# Altium PCB Crawler_PCB_V2.0.PcbDoc (part 1 of 2) (continued)
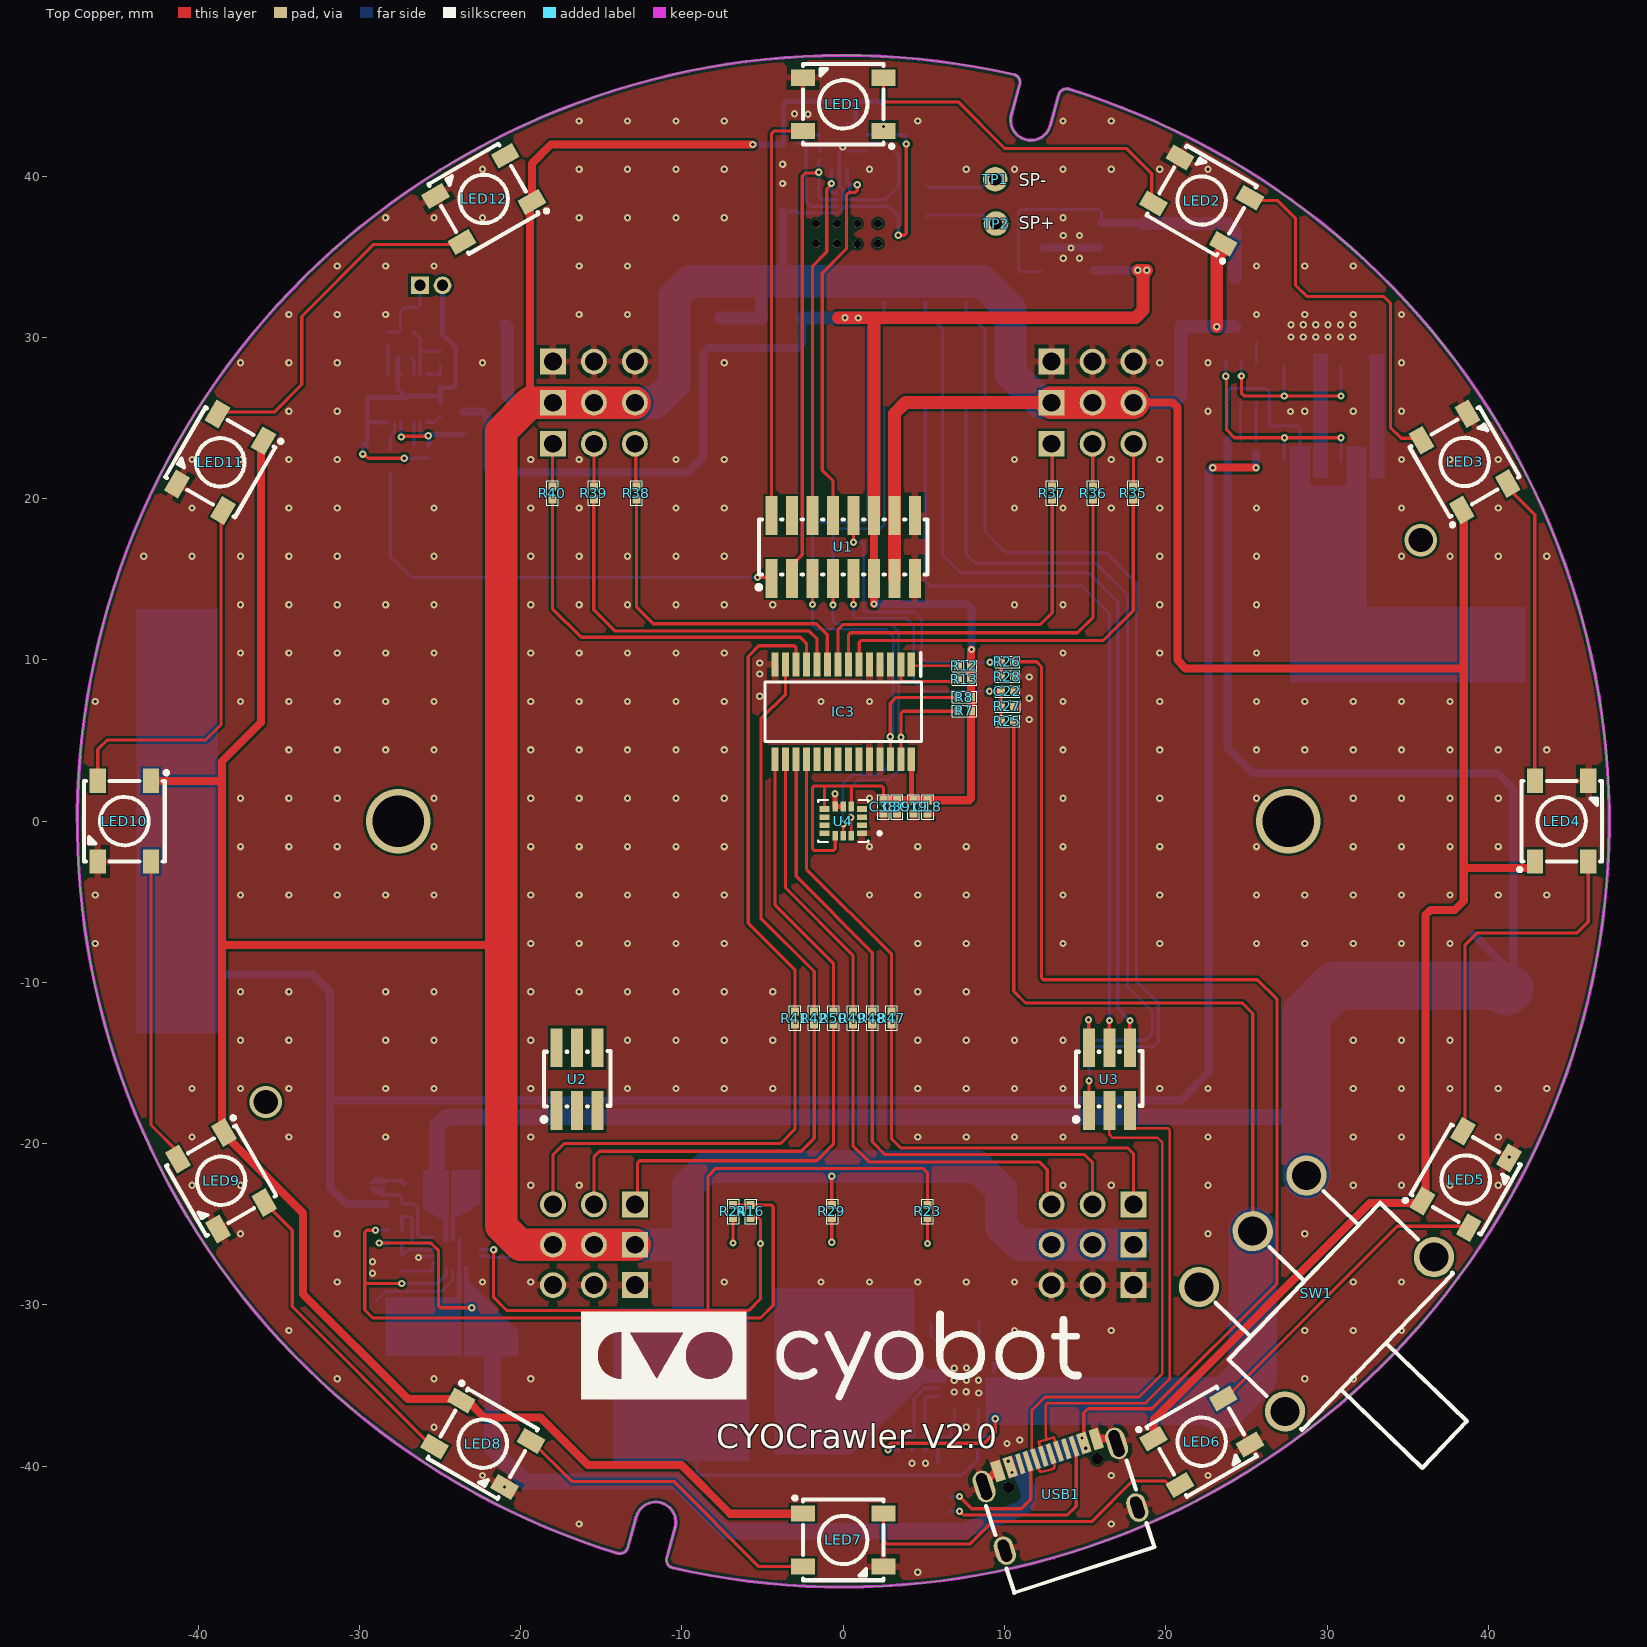
[diagram p0: Top Copper view]
## Components (designator, comment, footprint, x,y, rotation, side; value= is the part's Value field where it differs from the comment)
BH1 "Battery Holder" BH-18650-B1BA007 0,0 r180 bottom locked
C1 "2.2nF" CAP_0402 5.105,-38.583 r270 bottom
C2 "CC1206MKX5R7BB106" CAP_CC1206_YAG-M 12.471,-34.544 r270 bottom
C3 "CC1206MKX5R7BB106" CAP_CC1206_YAG-M 15.511,-34.544 r270 bottom
C4 "GRM32ER61C476KE15L" CAPC3225X270N -14.326,-31.852 r0 bottom
C5 "GRM32ER61C476KE15L" CAPC3225X270N -14.326,-34.95 r0 bottom
C6 "4.7uF" CAP_0402 10.795,-34.265 r270 bottom
C7 "100nF" CAP_0603 4.724,-31.217 r180 bottom
C8 "47pF" CAP_0402 6.706,-38.583 r90 bottom
C9 "27nF" CAP_0402 6.274,-39.776 r180 bottom
C10 "22uF" CAP_0603 18.593,36.347 r90 bottom
C11 "1uF" CAP_0402 17.323,36.678 r90 bottom
C12 "1uF" CAP_0402 17.323,33.757 r90 bottom
C13 "22uF" CAP_0603 18.593,33.452 r90 bottom
C14 "GRM32ER61C476KE15L" CAPC3225X270N 21.946,-33.807 r270 bottom
C15 "GRM32ER61C476KE15L" CAPC3225X270N 18.906,-33.807 r270 bottom
C16 "GRM32ER61C476KE15L" CAPC3225X270N 20.955,32.004 r270 bottom
C17 "GRM32ER61C476KE15L" CAPC3225X270N -20.955,32.08 r270 bottom
C18 "1uF" CAP_0402 5.232,0.889 r90 top
C19 "100nF" CAP_0402 4.369,0.889 r90 top
C20 "100nF" CAP_0402 24.232,24.511 r180 bottom
C21 "100nF" CAP_0402 26.035,24.511 r180 bottom
C22 "10nF" CAP_0402 10.185,8.039 r180 top
C23 "100nF" CAP_0402 -3.734,38.227 r270 bottom
C24 "10uF" CAP_0402 -2.921,38.227 r270 bottom
C25 "100nF" CAP_0402 -3.302,42.824 r180 bottom
C26 "470pF" CAP_0402 6.426,39.7 r90 bottom
C27 "470pF" CAP_0402 6.426,37.186 r90 bottom
C28 "100nF" CAP_0402 -28.219,29.921 r90 bottom
C29 "0.47uF" CAP_0402 -27.178,28.753 r0 bottom
C30 "1uF" CAP_0402 -25.743,22.911 r90 bottom
C31 "0.47uF" CAP_0402 -24.968,25.502 r90 bottom
C32 "2.2uF" CAP_0402 -26.645,22.911 r90 bottom
C33 "22uF" CAP_0603 -28.092,22.301 r90 bottom
C38 "4.7uF" CAP_0402 2.489,0.889 r90 top
C39 "100nF" CAP_0402 3.327,0.889 r90 top
C40 "JP3" JP3-D1T 12.92,28.5 r0 bottom
C41 "JP3" JP3-D1T 12.92,25.95 r0 bottom
C42 "JP3" JP3-D1T 12.92,23.4 r0 bottom
C43 "JP3" JP3-D1T -18,28.5 r0 bottom
C44 "JP3" JP3-D1T -18,25.95 r0 bottom
C45 "JP3" JP3-D1T -18,23.4 r0 bottom
C46 "JP3" JP3-D1T -12.92,-28.77 r180 bottom
C47 "JP3" JP3-D1T -12.92,-26.27 r180 bottom
C48 "JP3" JP3-D1T -12.92,-23.77 r180 bottom
C49 "JP3" JP3-D1T 18,-28.77 r180 bottom
C50 "JP3" JP3-D1T 18,-26.27 r180 bottom
C51 "JP3" JP3-D1T 18,-23.77 r180 bottom
C53 "GRM32ER61C476KE15L" CAPC3225X270N -14.326,-38.125 r0 bottom
C56 "100nF" CAP_0603 -28.321,-29.959 r180 bottom
C57 "22uF" CAP_0805 -26.187,-22.276 r0 bottom
C58 "22uF" CAP_0805 -22.149,-22.276 r180 bottom
C59 "22uF" CAP_0603 -20.015,-31.623 r180 bottom
C60 "1uF" CAP_0402 -27.788,-28.677 r0 bottom
DIO1 "Diode SMD" DIO-SMD-123 24.282,32.182 r270 bottom value=1N5007
FB1 "CBM160808U601T" L0603 -23.571,24.689 r90 bottom
FB2 "CBM160808U601T" L0603 -29.769,22.67 r90 bottom
H1 "C84005" HDR-SMD_14P-P2.54-V-F-R2-C7-S2.54 0,28 r0 bottom
IC1 "TPS54620RHLR" TPS54622RHLR 7.643,-34.671 r270 bottom
IC2 "XC6220B331PR-G" XC6220B331PRG 14.148,35.585 r90 bottom
IC3 "PCA9685PW,118" SOP65P640X110-28N 0,6.782 r270 top
IC4 "HY2120-CB" SOT95P280X140-6N 24.663,27.203 r270 bottom
IC5 "MAX98357AEWL+T" BGA9C40P3X3_144X135X69 0,38.532 r0 bottom
IC6 "MAX9814ETD+T" SON40P300X300X80-15N -27.026,26.238 r90 bottom
IC7 "MP2672GD-0000" QFN40P200X300X100-18N-D -24.003,-26.581 r90 bottom
IC8 "MAX98357AETE+" QFN50P300X300X80-17N 0,41.808 r0 bottom
L1 "SPM10040T-3R3M-HZ" SPM10040 -4.115,-34.163 r180 bottom locked
L2 "MLF2012C680KT000" INDC2012X145N 4.267,39.472 r0 bottom
L3 "ETQ-P3M1R5KVP" ETQ-P3M_KVP -24.308,-31.712 r180 bottom
L4 "MLF2012C680KT000" INDC2012X145N 4.267,37.414 r0 bottom
LED1 "WS2812B-B" LED-SMD_4P-L5.0-W5.0-BL_TC5050RGB 0,44.45 r180 top locked
LED2 "WS2812B-B" LED-SMD_4P-L5.0-W5.0-BL_TC5050RGB 22.225,38.481 r150 top
LED3 "WS2812B-B" LED-SMD_4P-L5.0-W5.0-BL_TC5050RGB 38.532,22.276 r120 top
LED4 "WS2812B-B" LED-SMD_4P-L5.0-W5.0-BL_TC5050RGB 44.552,0 r90 top
LED5 "WS2812B-B" LED-SMD_4P-L5.0-W5.0-BL_TC5050RGB 38.608,-22.225 r60 top
LED6 "WS2812B-B" LED-SMD_4P-L5.0-W5.0-BL_TC5050RGB 22.225,-38.481 r30 top
LED7 "WS2812B-B" LED-SMD_4P-L5.0-W5.0-BL_TC5050RGB 0,-44.577 r0 top
LED8 "WS2812B-B" LED-SMD_4P-L5.0-W5.0-BL_TC5050RGB -22.352,-38.608 r330 top locked
LED9 "WS2812B-B" LED-SMD_4P-L5.0-W5.0-BL_TC5050RGB -38.583,-22.301 r300 top
LED10 "WS2812B-B" LED-SMD_4P-L5.0-W5.0-BL_TC5050RGB -44.577,0 r270 top
LED11 "WS2812B-B" LED-SMD_4P-L5.0-W5.0-BL_TC5050RGB -38.633,22.25 r240 top
LED12 "WS2812B-B" LED-SMD_4P-L5.0-W5.0-BL_TC5050RGB -22.301,38.583 r210 top
LED13 "LTST-C191KGKT" LEDC1608X55N 6.02,-26.162 r180 bottom
LED14 "LTST-C190KRKT" LEDC1608X80N -6.071,-26.162 r180 bottom
LED15 "LTST-C191KGKT" LEDC1608X55N 0.102,-26.162 r180 bottom
MIC1 "GMI4015P-2C-58DB" MIC-TH_BD4.0-P1.40-D0.4-L-FD -25.552,33.223 r0 bottom
Q1 "AO8814" TSSOP-8_L4.4-W3.0-P0.65-LS6.4-BL 31.831,25.302 r180 bottom
Q2 "AO8814" TSSOP-8_L4.4-W3.0-P0.65-LS6.4-BL 28.322,25.302 r180 bottom
R1 "53.6K" RES_0402 8.026,-31.013 r180 bottom
R2 "102K" RES_0402 3.505,-38.583 r90 bottom
R3 "56K" RES_0402 8.331,-38.583 r270 bottom
R4 "10K" RES_0402 9.119,-38.583 r90 bottom
R5 "3.24K" RES_0402 5.905,-38.583 r90 bottom
R6 "36.5K" RES_0402 4.305,-38.583 r90 bottom
R7 "4.7K" RES_0402 7.518,6.833 r0 top
R8 "4.7K" RES_0402 7.518,7.696 r0 top
R9 "330R" RES_0402 24.232,23.647 r0 bottom
R10 "330R" RES_0402 25.603,23.216 r90 bottom
R11 "2K" RES_0402 25.629,30.124 r270 bottom
R12 "2K" RES_0402 7.518,9.627 r0 top
R13 "2K" RES_0402 7.518,8.788 r0 top
R14 "5.1K" RES_0402 6.198,-41.91 r0 bottom
R15 "5.1K" RES_0402 6.198,-42.824 r180 bottom
R16 "470R" RES_0402 -5.74,-24.206 r90 top
R17 "680K" RES_0402 -3.302,42.012 r0 bottom
R23 "100R" RES_0402 5.232,-24.206 r270 top
R24 "100R" RES_0402 -6.833,-24.206 r90 top
R25 "300K" RES_0402 10.185,6.198 r0 top
R26 "300K" RES_0402 10.185,9.881 r0 top
R27 "100K" RES_0402 10.185,7.118 r180 top
R28 "300K" RES_0402 10.185,8.96 r180 top
R29 "1K" RES_0402 -0.711,-24.206 r90 top
R30 "100K" RES_0402 -24.968,27.305 r270 bottom
R31 "150K" RES_0402 -24.968,28.727 r270 bottom
R32 "2K" RES_0402 -27.051,30.328 r0 bottom
R35 "220R" RES_0402 17.983,20.345 r270 top
R36 "220R" RES_0402 15.494,20.345 r270 top
R37 "220R" RES_0402 12.954,20.345 r270 top
R38 "220R" RES_0402 -12.827,20.345 r270 top
R39 "220R" RES_0402 -15.469,20.345 r270 top
R40 "220R" RES_0402 -18.034,20.345 r270 top
R41 "220R" RES_0402 -3,-12.217 r90 top
R42 "220R" RES_0402 -1.8,-12.217 r90 top
R47 "220R" RES_0402 3,-12.217 r270 top
R48 "220R" RES_0402 1.8,-12.217 r270 top
R49 "220R" RES_0402 0.6,-12.217 r270 top
R50 "220R" RES_0402 -0.6,-12.217 r270 top
R59 "30K" RES_0402 -20.447,-27.026 r180 bottom
R60 "28.7K" RES_0402 -27.788,-26.162 r0 bottom
R61 "330R" RES_0402 -27.762,-23.736 r0 bottom
R62 "10K" RES_0402 -27.788,-25.345 r0 bottom
R63 "10K" RES_0402 -27.788,-27.851 r180 bottom
R64 "10K" RES_0402 -27.788,-24.524 r180 bottom
R65 "10K" RES_0402 -27.788,-26.975 r180 bottom
SB1 "Solderbridge" Solderbridge -28.829,-22.606 r90 bottom
SW1 "SS-12D11L7" SW-TH_XKB_SS-12D11L7 28.702,-28.626 r46 top
TP1 "TEST POINT" "TEST POINT_30" 9.423,39.802 r0 top
TP2 "TEST POINT" "TEST POINT_30" 9.474,37.059 r0 top
U1 "X1321WVS-2X08J-C40D53" HDR-SMD_16P-P1.27-V-M-R2-C8-LS5.3 0,17 r0 top locked
U2 "X1321WVS-2X03J-C40D53" HDR-SMD_6P-P1.27-V-M-R2-C3-LS5.3 -16.5,-16 r0 top
U3 "X1321WVS-2X03J-C40D53" HDR-SMD_6P-P1.27-V-M-R2-C3-LS5.3 16.5,-16 r0 top
U4 "LSM6DSLTR" PQFN50P300X250X86-14N 0,0 r180 top
USB1 "KH-TYPE-C-16P" USB-C-SMD_KH-TYPE-C-16P 13.386,-41.605 r18 top locked

## Footprints (in the part's own frame and the unit in brackets; to place one, negate y for a bottom-side part, rotate by r counter-clockwise, add the part's x,y. Pads: shape width x height; smd on the part's side, far side on the other; paste and mask are expansions set on the pad)
BGA9C40P3X3_144X135X69 [mm]
  round 0.216 smd: A1(-0.4,0.4) A2(0,0.4) A3(0.4,0.4) B1(-0.4,0) B2(0,0) B3(0.4,0) C1(-0.4,-0.4) C2(0,-0.4) C3(0.4,-0.4)
  silkscreen extent -0.96,-0.86 0.86,0.96, body extent -0.72,-0.67 0.72,0.67, height 0.69
BH-18650-B1BA007 [mm]
  rect 7x7.5 smd: 1(-41.55,-9.5) 2(41.55,9.5) 3(-41.55,9.5) 4(41.55,-9.5)
  silkscreen extent -42.93,-19.69 42.85,19.84, body extent -43.03,-19.81 42.98,19.96, height 15.43
CAP_0402 [mm] "Capacitor"
  rect 0.5x0.5 smd mask+0.051: 1(-0.406,0) 2(0.406,0)
  silkscreen extent -0.76,-0.36 0.76,0.36, body extent -0.53,-0.28 0.52,0.27, height 0.55
CAP_0603 [mm] "Capacitor"
  rect 0.6x0.9 smd mask+0.051: 1(-0.711,0) 2(0.711,0)
  silkscreen extent -1.14,-0.56 1.14,0.56, body extent -0.87,-0.48 0.87,0.47, height 0.87
CAP_0805 [mm] "Ceramic Capacitor"
  rect 1.27x1.27 smd mask+0.076: 1(-1,0) 2(1,0)
  silkscreen extent -1.86,-0.86 1.86,0.86, body extent -1,-0.63 1,0.63, height 0.78
CAP_CC1206_YAG-M [mm]
  rect 1.312x1.853 smd paste+0 mask+0: 1(-1.647,0) 2(1.647,0)
  silkscreen extent -3.22,-1.03 0.67,1.03, body extent -1.75,-0.9 1.75,0.9, height 1.8
CAPC3225X270N [mm]
  rect 1.26x2.72 smd: 1(-1.33,0) 2(1.33,0)
  silkscreen extent 0,-1.15 0,1.15, body extent -1.6,-1.25 1.6,1.25, height 2.7
DIO-SMD-123 [mm]
  rect 0.9x1.2 smd: 1(1.524,0) 2(-1.524,0)
  silkscreen extent -2.16,-1.02 2.16,1.02, body extent -1.76,-0.8 1.94,0.8, height 1.25
ETQ-P3M_KVP [mm]
  rect 1.905x2.79 smd: 1(-2.425,0) 2(2.425,0)
  silkscreen extent -4.33,-2.5 2.5,2.5, body extent -2.75,-2.5 2.75,2.5, height 3
HDR-SMD_6P-P1.27-V-M-R2-C3-LS5.3 [mm]
  rect 0.74x2.4 smd: 1(-1.27,-1.95) 2(-1.27,1.95) 3(0,-1.95) 4(0,1.95) 5(1.27,-1.95) 6(1.27,1.95)
  silkscreen extent -2.2,-2.64 2.06,1.75, body extent -1.91,-2.73 1.9,2.78, height 6.41
HDR-SMD_14P-P2.54-V-F-R2-C7-S2.54 [mm]
  rect 1x2.2 smd: 1(-7.62,3.2) 2(-7.62,-3.2) 3(-5.08,3.2) 4(-5.08,-3.2) 5(-2.54,3.2) 6(-2.54,-3.2) 7(0,3.2) 8(0,-3.2) 9(2.54,3.2) 10(2.54,-3.2) 11(5.08,3.2) 12(5.08,-3.2) 13(7.62,3.2) 14(7.62,-3.2)
  silkscreen extent -8.89,-2.54 8.89,3.56, body extent -9.14,-3.3 9.14,3.3, height 5
HDR-SMD_16P-P1.27-V-M-R2-C8-LS5.3 [mm]
  rect 0.74x2.4 smd: 1(-4.445,-1.95) 2(-4.445,1.95) 3(-3.175,-1.95) 4(-3.175,1.95) 5(-1.905,-1.95) 6(-1.905,1.95) 7(-0.635,-1.95) 8(-0.635,1.95) 9(0.635,-1.95) 10(0.635,1.95) 11(1.905,-1.95) 12(1.905,1.95) 13(3.175,-1.95) 14(3.175,1.95) 15(4.445,-1.95) 16(4.445,1.95)
  silkscreen extent -5.38,-2.64 5.23,1.7, body extent -5.08,-2.76 5.08,2.74, height 6.41
INDC2012X145N [mm]
  rect 1.2x1.45 smd: 1(-0.85,0) 2(0.85,0)
  silkscreen extent 0,-0.53 0,0.53, body extent -1,-0.63 1,0.63, height 1.45
JP3-D1T [mm] "3 pins, 1 row, straight, gold plating"
  rect 1.6x1.6 hole 1.1: 1(0,0)
  round 1.6 hole 1.1: 2(2.54,0) 3(5.08,0)
  silkscreen extent -1.27,-1.27 6.35,1.27, body extent -1.27,-1.27 6.35,1.27, height 8.54
L0603 [mm]
  rect 0.8x0.864 smd: 1(-0.7,0) 2(0.7,0)
  silkscreen extent -1.42,-0.65 1.41,0.67
LED-SMD_4P-L5.0-W5.0-BL_TC5050RGB [mm]
  rect 1.5x1 smd: 1(-2.5,1.65) 2(-2.5,-1.65) 3(2.5,-1.65) 4(2.5,1.65)
  silkscreen extent -3.1,-2.5 2.5,2.7, body extent -2.68,-2.55 2.72,2.45, height 1.6
LEDC1608X55N [mm]
  rect 0.9x0.95 smd: 1(-0.8,0) 2(0.8,0)
  silkscreen extent -1.6,-0.82 0.8,0.82, body extent -0.83,-0.4 0.77,0.4, height 0.55
LEDC1608X80N [mm]
  rect 0.9x0.95 smd: 1(-0.8,0) 2(0.8,0)
  silkscreen extent -1.6,-0.82 0.8,0.82, body extent -0.83,-0.4 0.77,0.4, height 0.8
MIC-TH_BD4.0-P1.40-D0.4-L-FD [mm]
  rect 1.1x1.1 hole 0.7: 1(-0.7,0)
  round 1.1 hole 0.7: 2(0.7,0)
  silkscreen extent -2,-1.45 2,2.55, body extent -2,-1.42 2,2.58, height 1.55
PQFN50P300X250X86-14N [mm]
  rect 0.61x0.35 smd: 1(-1.16,0.75) 2(-1.16,0.25) 3(-1.16,-0.25) 4(-1.16,-0.75) 8(1.16,-0.75) 9(1.16,-0.25) 10(1.16,0.25) 11(1.16,0.75)
  rect 0.35x0.61 smd: 5(-0.5,-0.91) 6(0,-0.91) 7(0.5,-0.91) 12(0.5,0.91) 13(0,0.91) 14(-0.5,0.91)
  silkscreen extent -2.35,-1.3 1.55,1.3, body extent -1.5,-1.23 1.5,1.27, height 0.86
QFN40P200X300X100-18N-D [mm]
  rect 0.85x0.2 smd: 1(-0.95,0.6) 2(-0.95,0.2) 3(-0.95,-0.2) 4(-0.95,-0.6) 10(0.95,-0.6) 11(0.95,-0.2) 12(0.95,0.2) 13(0.95,0.6)
  rect 0.2x0.85 smd: 5(-0.8,-1.45) 6(-0.4,-1.45) 7(0,-1.45) 8(0.4,-1.45) 9(0.8,-1.45) 14(0.8,1.45) 15(0.4,1.45) 16(0,1.45) 17(-0.4,1.45) 18(-0.8,1.45)
  silkscreen extent -1.47,1.1 -1.28,1.3, body extent -1.05,-1.55 1.05,1.55, height 1
QFN50P300X300X80-17N [mm]
  rect 0.85x0.3 smd: 1(-1.45,0.75) 2(-1.45,0.25) 3(-1.45,-0.25) 4(-1.45,-0.75) 9(1.45,-0.75) 10(1.45,-0.25) 11(1.45,0.25) 12(1.45,0.75)
  rect 0.3x0.85 smd: 5(-0.75,-1.45) 6(-0.25,-1.45) 7(0.25,-1.45) 8(0.75,-1.45) 13(0.75,1.45) 14(0.25,1.45) 15(-0.25,1.45) 16(-0.75,1.45)
  rect 1.25x1.25 smd: 17(0,0)
  silkscreen extent -2,1.38 -1.75,1.62, body extent -1.55,-1.55 1.55,1.55, height 0.8
RES_0402 [mm]
  rect 0.5x0.5 smd mask+0.051: 1(-0.406,0) 2(0.406,0)
  silkscreen extent -0.76,-0.36 0.76,0.36, body extent -0.5,-0.25 0.5,0.25, height 0.3
Solderbridge [mm]
  round 0.2 smd paste-10: 1(-0.312,0) 2(0.312,0)
  Top Copper region: -0.077,-0.432 -0.152,-0.505 -0.271,-0.467 -0.335,-0.424 -0.409,-0.351 -0.462,-0.292 -0.521,-0.193 -0.549,-0.099 -0.544,0.122 -0.518,0.193 -0.434,0.33 -0.351,0.411 -0.259,0.469 -0.157,0.5 -0.107,0.483 -0.077,0.43
  Top Copper region: 0.077,0.432 0.152,0.505 0.271,0.467 0.335,0.424 0.409,0.351 0.462,0.292 0.521,0.193 0.549,0.099 0.544,-0.122 0.518,-0.193 0.434,-0.33 0.351,-0.411 0.259,-0.469 0.157,-0.5 0.107,-0.483 0.077,-0.43
  Top Copper lines w0.152: 0.486,0.025 ccw(c0.042,0) 0.312,0.353 ccw(c0.042,0) 0.153,0.431
SON40P300X300X80-15N [mm]
  rect 0.75x0.2 smd: 1(-1.5,1.2) 2(-1.5,0.8) 3(-1.5,0.4) 4(-1.5,0) 5(-1.5,-0.4) 6(-1.5,-0.8) 7(-1.5,-1.2) 8(1.5,-1.2) 9(1.5,-0.8) 10(1.5,-0.4) 11(1.5,0) 12(1.5,0.4) 13(1.5,0.8) 14(1.5,1.2)
  rect 1.8x2.4 smd: 15(0,0)
  silkscreen extent -2,1.68 -1.75,1.92, body extent -1.55,-1.5 1.55,1.5, height 0.8
SOP65P640X110-28N [mm]
  rect 1.475x0.45 smd: 1(-2.938,4.225) 2(-2.938,3.575) 3(-2.938,2.925) 4(-2.938,2.275) 5(-2.938,1.625) 6(-2.938,0.975) 7(-2.938,0.325) 8(-2.938,-0.325) 9(-2.938,-0.975) 10(-2.938,-1.625) 11(-2.938,-2.275) 12(-2.938,-2.925) 13(-2.938,-3.575) 14(-2.938,-4.225) 15(2.938,-4.225) 16(2.938,-3.575) 17(2.938,-2.925) 18(2.938,-2.275) 19(2.938,-1.625) 20(2.938,-0.975) 21(2.938,-0.325) 22(2.938,0.325) 23(2.938,0.975) 24(2.938,1.625) 25(2.938,2.275) 26(2.938,2.925) 27(2.938,3.575) 28(2.938,4.225)
  silkscreen extent -3.67,-4.85 1.85,4.85, body extent -3.2,-4.85 3.2,4.85, height 1.1
SOT95P280X140-6N [mm]
  rect 1.15x0.6 smd: 1(-1.25,0.95) 2(-1.25,0) 3(-1.25,-0.95) 4(1.25,-0.95) 5(1.25,0) 6(1.25,0.95)
  silkscreen extent -1.83,-1.45 0.33,1.6, body extent -1.4,-1.45 1.4,1.45, height 1.4
SPM10040 [mm]
  rect 3.8x4.8 smd: 1(-4.95,0) 2(4.95,0)
  silkscreen extent -7.85,-5.2 5.2,5.2, body extent -5.35,-5 5.35,5, height 4
SW-TH_XKB_SS-12D11L7 [mm]
  round 2.5 hole 1.8: 1(-4.8,4.6) 2(0,4.6) 3(4.8,4.6) 4(6.65,-4.6) 5(-6.65,-4.6)
  silkscreen extent -6.75,-13.15 6.75,3.17
"TEST POINT_30" [mil]
  round 60 hole 30 mask+10: 1(0,0)
TPS54622RHLR [mm]
  rect 0.85x0.28 smd: 1(-1.725,-0.75) 7(1.725,-0.75) 8(1.725,0.75) 14(-1.725,0.75)
  rect 0.28x0.85 smd: 2(-1,-1.725) 3(-0.5,-1.725) 4(0,-1.725) 5(0.5,-1.725) 6(1,-1.725) 9(1,1.725) 10(0.5,1.725) 11(0,1.725) 12(-0.5,1.725) 13(-1,1.725)
  rect 0.725x0.2 smd: 15(-1.788,-0.275) 15(-1.788,0.275) 15(1.788,-0.275) 15(1.788,0.275)
  rect 0.6x0.75 smd: 15(-1.225,0) 15(1.225,0)
  rect 2.05x2.05 smd: 15(0,0)
  silkscreen extent -2.97,-1.75 1.75,1.75, body extent -1.75,-1.75 1.75,1.75, height 1
TSSOP-8_L4.4-W3.0-P0.65-LS6.4-BL [mm]
  oval 0.353x1.454 smd: 1(-0.975,-2.927) 2(-0.325,-2.927) 3(0.325,-2.927) 4(0.975,-2.927) 5(0.975,2.927) 6(0.325,2.927) 7(-0.325,2.927) 8(-0.975,2.927)
  silkscreen extent -1.73,-3.08 1.5,2.2, body extent -1.49,-3.17 1.51,3.23, height 1.11
USB-C-SMD_KH-TYPE-C-16P [mm]
  oval 1.2x2 hole 0.7 slot 1.7 at 90 deg: 1(-4.32,1.765) 2(4.32,1.765)
  oval 1.2x1.8 hole 0.7 slot 1.4 at 90 deg: 3(-4.32,-2.415) 4(4.32,-2.415)
  rect 0.3x1.3 smd: A1(-3.35,2.415) A4(-2.55,2.415) A5(-1.25,2.415) A6(-0.25,2.415) A7(0.25,2.415) A8(1.25,2.415) A9(2.55,2.415) A12(3.35,2.415) B1(3.05,2.415) B4(2.25,2.415) B5(1.75,2.415) B6(0.75,2.415) B7(-0.75,2.415) B8(-1.75,2.415) B9(-2.25,2.415) B12(-3.05,2.415)
  round 0.7 hole 0.7 unplated: ""(-2.89,1.235) ""(2.89,1.235)
  silkscreen extent -4.57,-5.08 4.57,0.57, body extent -4.47,-5.15 4.48,2.75, height 3.26
XC6220B331PRG [mm]
  rect 0.7x1.5 smd: 1(-1.5,-1.85) 3(1.5,-1.85) 4(1.5,1.85) 5(-1.5,1.85)
  rect 1x1.75 smd: 2(0,-1.725) 6(0,1.725)
  rect 2x1.7 smd: 7(0,0)
  silkscreen extent -2.25,-3.48 2.25,1.25, body extent -2.25,-1.25 2.25,1.25, height 1.7

## Part data
BH1: library part BH-18650-B1BA007
C1: library part CAP_220pF-10V-10%-0402, "2.2nF ±10% 50V Ceramic Capacitor X7R 0402 (1005 Metric)", Case/Package=0402, Manufacturer=KEMET, Manufacturer Part Number=C0402C221K8RAC7867, Supplier-1=Digikey
C2 C3: "No Description Available", Mfr_Name=Yageo, Copyright="Copyright (C) 2023 Ultra Librarian. All rights reserved.", Digi-Key_Part_Number_1=311-1996-2-ND, Digi-Key_Part_Number_2=311-1996-1-ND, Digi-Key_Part_Number_3=311-1996-6-ND, Manufacturer_Part_Number=CC1206MKX5R7BB106, RefDes=RefDes, Type=DEV
C4 C5 C14 C15 C16 C17 C53: "Capacitor", Manufacturer_Name="Murata Electronics", Mouser Part Number=81-GRM32ER61C476KE5L, Arrow Part Number=GRM32ER61C476KE15L, Arrow Price/Stock=https://www.arrow.com/en/products/grm32er61c476ke15l/murata-manufacturing, Datasheet Link=http://psearch.en.murata.com/capacitor/product/GRM32ER71E226KE15%23.pdf, Height=2.7mm, Manufacturer_Part_Number=GRM32ER61C476KE15L, Mouser Price/Stock=https://www.mouser.co.uk/ProductDetail/Murata-Electronics/GRM32ER61C476KE15L?qs=%252B%2F7tQhzlcy7Im%2F1Gh2YSGQ%3D%3D
C6 C38: library part CAP_4.7uF-10V-10%-0402, "4.7µF ±10% 10V Ceramic Capacitor X5R 0402 (1005 Metric)", Case/Package=0402, Manufacturer="Samsung Electro-Mechanics", Manufacturer Part Number=CL05A475KP5NRNC, Supplier-1=Digikey
C7 C56: library part CAP_100nF-10V-5%-0603, "25V 100nF X7R ±10% 0603 Multilayer Ceramic Capacitors MLCC - SMD/SMT ROHS", Case/Package=0603, Manufacturer=Yageo, Manufacturer Part Number=CC0603KRX7R6BB104, Supplier-1=Digikey
C8: library part CAP_220pF-10V-10%-0402, "82pF ±10% 50V Ceramic Capacitor NP0 0402 (1005 Metric)", Case/Package=0402, Manufacturer=KEMET, Manufacturer Part Number=C0402C221K8RAC7867, Supplier-1=Digikey
C9: library part CAP_220pF-10V-10%-0402, "27nF ±10% 50V Ceramic Capacitor X7R 0402 (1005 Metric)", Case/Package=0402, Manufacturer=KEMET, Manufacturer Part Number=C0402C221K8RAC7867, Supplier-1=Digikey
C10 C13 C33 C59: library part CAP_22uF-10V-20%-0603, "22µF ±20% 10V Ceramic Capacitor X5R 0603 (1608 Metric)", Case/Package=0603, Manufacturer="Murata Electronics", Manufacturer Part Number=GRM188R61A226ME15D, Supplier-1=Digikey
C11 C12 C30 C60: library part CAP_1uF-10V-10%-0402, "1µF ±10% 10V Ceramic Capacitor X6S 0402 (1005 Metric)", Case/Package=0402, Manufacturer="Murata Electronics", Manufacturer Part Number=GRT155C81A105KE01D, Supplier-1=Digikey
C18: library part CAP_1uF-16V-10%-0402, "1µF ±10% 16V Ceramic Capacitor X5R 0402 (1005 Metric)", Case/Package=0402, Manufacturer="Knowles Novacap", Manufacturer Part Number=0402BW105K160YT, Supplier-1=Digikey
C19 C20 C21: library part CAP_100nF-25V-10%-0402, "0.1µF ±10% 25V Ceramic Capacitor X7R 0402 (1005 Metric)", Case/Package=0402, Manufacturer="Walsin Technology Corporation", Manufacturer Part Number=0402B104K250CT, Supplier-1=Digikey
C22: library part CAP_10nF-10V-10%-0402, "10000pF ±10% 10V Ceramic Capacitor X7R 0402 (1005 Metric)", Case/Package=0402, Manufacturer="AVX Corporation", Manufacturer Part Number=0402ZC103KAT2A, Supplier-1=Digikey
C23 C25 C28 C39: library part CAP_100nF-10V-10%-0402, "0.1µF ±10% 10V Ceramic Capacitor X7R 0402 (1005 Metric)", Case/Package=0402, Manufacturer=Yageo, Manufacturer Part Number=CC0402KRX7R6BB104, Supplier-1=Digikey
C24: library part CAP_10uF-10V-20%-0402, "10µF ±20% 10V Ceramic Capacitor X5R 0402 (1005 Metric)", Case/Package=0402, Manufacturer="Samsung Electro-Mechanics", Manufacturer Part Number=CL05A106MP5NUNC, Supplier-1=Digikey
C26 C27: library part CAP_47pF-10V-10%-0402, "470pF ±10% 10V Ceramic Capacitor C0G, NP0 0402 (1005 Metric)", Case/Package=0402, Manufacturer=KEMET, Manufacturer Part Number=C0402C470K8GAC7867, Supplier-1=Supplier-1
C29 C31: library part CAP_1uF-10V-10%-0402, "0.47µF ±10% 10V Ceramic Capacitor X6S 0402 (1005 Metric)", Case/Package=0402, Manufacturer="Murata Electronics", Manufacturer Part Number=GRT155C81A105KE01D, Supplier-1=Digikey
C32: library part CAP_2.2uF-10V-10%-0402, "2.2µF ±10% 10V Ceramic Capacitor X5R 0402 (1005 Metric)", Case/Package=0402, Manufacturer="Murata Electronics", Manufacturer Part Number=GRM155R61A225KE95D, Supplier-1=Digikey
C40 C41 C42 C43 C44 C45 C46 C47 C48 C49 C50 C51: "WR-PHD 2.54 mm Angled Socket Header", Manufacturer="W¨¹rth Elektronik eiSos GmbH", partNo=613003143121, ComponentLink1 Description=Manufacturer, ComponentLink1URL=http://www.we-online.com, ComponentLink2 Description=Datasheet, ComponentLink2URL=http://katalog.we-online.de/em/datasheet/6130xx143121.pdf, Created by="Karrer Zheng", Created Date="29 March 2013", NoPins=03
C57 C58: library part CAP_22uF-25V-20%-0805, "22µF ±20% 25V Ceramic Capacitor X5R 0805 (2012 Metric)", Case/Package=0805, Manufacturer="Murata Electronics", Manufacturer Part Number=GRM21BR61E226ME44K, Supplier-1=Digikey
DIO1: "Default Diode", Code - JEDEC=DO-214-AB, Published=8-Jun-2000, Publisher="Altium Limited", Revision="July-2002: Re-released for DXP Platform."
FB1 FB2: BOM_JLCPCB Part Class="Extended Part", BOM_Manufacturer=FH(风华), BOM_Manufacturer Part=CBM160808U601T, BOM_Supplier=LCSC, BOM_Supplier Part=C394427, Contributor=LCSC, spicePre=F, spiceSymbolName=CBM160808U601T
H1: BOM_JLCPCB Part Class="Extended Part", BOM_Manufacturer=BOOMELE(博穆精密), BOM_Manufacturer Part=2.54-2*7P立贴母, BOM_Supplier=LCSC, BOM_Supplier Part=C84005, Contributor=LCSC, spicePre=H, spiceSymbolName=C84005
IC1: "Integrated Circuit", Manufacturer_Name="Texas Instruments", Mouser Part Number=595-TPS54620RHLR, Arrow Part Number=TPS54620RHLR, Arrow Price/Stock=https://www.arrow.com/en/products/tps54620rhlr/texas-instruments?region=nac, Datasheet Link=http://www.ti.com/lit/ds/symlink/tps54620.pdf, Manufacturer_Part_Number=TPS54620RHLR, Mouser Price/Stock=https://www.mouser.co.uk/ProductDetail/Texas-Instruments/TPS54620RHLR?qs=g5raLcSarOavNbXjatBJuw%3D%3D
IC2: "Integrated Circuit", Manufacturer_Name=Torex, Mouser Part Number=865-XC6220B331PR-G, Datasheet Link=https://www.torexsemi.com/file/xc6220/XC6220.pdf, Height=1.6mm, Manufacturer_Part_Number=XC6220B331PR-G, Mouser Price/Stock=https://www.mouser.co.uk/ProductDetail/Torex-Semiconductor/XC6220B331PR-G?qs=AsjdqWjXhJ9%2FMkHVs5v3gw%3D%3D
IC3: "Integrated Circuit", Manufacturer_Name=NXP, Mouser Part Number=771-PCA9685PW,118, Arrow Part Number=PCA9685PW,118, Arrow Price/Stock=https://www.arrow.com/en/products/pca9685pw118/nxp-semiconductors?region=nac, Datasheet Link=http://www.nxp.com/docs/en/data-sheet/PCA9685.pdf, Height=1.1mm, Manufacturer_Part_Number=PCA9685PW,118, Mouser Price/Stock=https://www.mouser.co.uk/ProductDetail/NXP-Semiconductors/PCA9685PW118?qs=6YAT8rHPFU%252BtfwwKq4nwEQ%3D%3D
IC4: "Integrated Circuit", Manufacturer_Name=Hycon, Datasheet Link=https://datasheet.lcsc.com/szlcsc/HYCON-Tech-HY2120CB_C116509.pdf, Height=1.4mm, Manufacturer_Part_Number=HY2120-CB
IC5: "Integrated Circuit", Manufacturer_Name="Analog Devices", Mouser Part Number=700-MAX98357AEWL+T, Arrow Part Number=MAX98357AEWL+T, Arrow Price/Stock=https://www.arrow.com/en/products/max98357aewlt/maxim-integrated?region=nac, Datasheet Link=https://datasheets.maximintegrated.com/en/ds/MAX98357A-MAX98357B.pdf, Height=0.69mm, Manufacturer_Part_Number=MAX98357AEWL+T, Mouser Price/Stock=https://www.mouser.co.uk/ProductDetail/Analog-Devices-Maxim-Integrated/MAX98357AEWL%2bT?qs=ZrtEiRxEuI4mjqOyZP4d0A%3D%3D
IC6: "Integrated Circuit", Manufacturer_Name="Analog Devices", Mouser Part Number=700-MAX9814ETDT, Arrow Part Number=MAX9814ETD+T, Arrow Price/Stock=https://www.arrow.com/en/products/max9814etdt/maxim-integrated?region=nac, Datasheet Link=https://www.analog.com/MAX9814/datasheet, Height=0.8mm, Manufacturer_Part_Number=MAX9814ETD+T, Mouser Price/Stock=https://www.mouser.co.uk/ProductDetail/Analog-Devices-Maxim-Integrated/MAX9814ETD%2bT?qs=1THa7WoU59HUZGorIAH%2Frw%3D%3D
IC7: "Integrated Circuit", Manufacturer_Name="Monolithic Power Systems (MPS)", Height=1mm, Manufacturer_Part_Number=MP2672GD-0000
IC8: "Integrated Circuit", Manufacturer_Name="Maxim Integrated", Mouser Part Number=700-MAX98357AETE+, Datasheet Link=https://datasheets.maximintegrated.com/en/ds/MAX98357A-MAX98357B.pdf, Height=0.8mm, Manufacturer_Part_Number=MAX98357AETE+, Mouser Price/Stock=https://www.mouser.co.uk/ProductDetail/Maxim-Integrated/MAX98357AETE%2b?qs=AAveGqk956EyS6m3AmZeuw%3D%3D
L1: "Inductor", Manufacturer_Name=TDK, Mouser Part Number=810-SPM10040T-3R3HZ, Arrow Part Number=SPM10040T-3R3M-HZ, Arrow Price/Stock=https://www.arrow.com/en/products/spm10040t-3r3m-hz/tdk?region=nac, Datasheet Link=https://product.tdk.com/system/files/dam/doc/product/inductor/inductor/smd/catalog/inductor_automotive_power_spm10040-hz_en.pdf, Manufacturer_Part_Number=SPM10040T-3R3M-HZ, Mouser Price/Stock=https://www.mouser.co.uk/ProductDetail/TDK/SPM10040T-3R3M-HZ?qs=y6ZabgHbY%252BwBR7hmhWa%252BrA%3D%3D
L2 L4: "Inductor", Manufacturer_Name=TDK, Mouser Part Number=810-MLF2012C680KT000, Datasheet Link=https://product.tdk.com/system/files/dam/doc/product/inductor/inductor/smd/catalog/inductor_commercial_standard_mlf2012_en.pdf, Height=1.45mm, Manufacturer_Part_Number=MLF2012C680KT000, Mouser Price/Stock=https://www.mouser.com/Search/Refine.aspx?Keyword=810-MLF2012C680KT000
L3: "Inductor", Manufacturer_Name=Panasonic, Mouser Part Number=667-ETQ-P3M1R5KVP, Arrow Part Number=ETQ-P3M1R5KVP, Arrow Price/Stock=https://www.arrow.com/en/products/etq-p3m1r5kvp/panasonic, Datasheet Link=http://industrial.panasonic.com/cdbs/www-data/pdf/AGL0000/AGL0000C63.pdf, Height=3mm, Manufacturer_Part_Number=ETQ-P3M1R5KVP, Mouser Price/Stock=https://www.mouser.co.uk/ProductDetail/Panasonic/ETQ-P3M1R5KVP?qs=DddhjTRTMKyw4jpGRX4KaA%3D%3D
LED1 LED2 LED3 LED4 LED5 LED6 LED7 LED8 LED9 LED10 LED11 LED12: BOM_JLCPCB Part Class="Extended Part", BOM_Manufacturer=worldsemi, BOM_Manufacturer Part=WS2812B-B/W, BOM_Supplier=LCSC, BOM_Supplier Part=C114586, Contributor=LCSC, spicePre=L, spiceSymbolName=WS2812B-B
LED13 LED15: "LED GREEN", Manufacturer_Name=Lite-On, Mouser Part Number=859-LTST-C191KGKT, Arrow Part Number=LTST-C191KGKT, Arrow Price/Stock=https://www.arrow.com/en/products/ltst-c191kgkt/lite-on-technology?region=nac, Datasheet Link=http://www.mouser.com/ds/2/239/S_110_LTST-C191KGKT-369560.pdf, Height=0.55mm, Manufacturer_Part_Number=LTST-C191KGKT, Mouser Price/Stock=https://www.mouser.co.uk/ProductDetail/Lite-On/LTST-C191KGKT?qs=xSPZu9B1aMCRQ5ACasEYAg%3D%3D
LED14: "LED RED", Manufacturer_Name=Lite-On, Mouser Part Number=859-LTST-C190KRKT, Arrow Part Number=LTST-C190KRKT, Arrow Price/Stock=https://www.arrow.com/en/products/ltst-c190krkt/lite-on-technology?region=europe, Datasheet Link=https://componentsearchengine.com/Datasheets/1/LTST-C190KRKT.pdf, Height=0.8mm, Manufacturer_Part_Number=LTST-C190KRKT, Mouser Price/Stock=https://www.mouser.co.uk/ProductDetail/Lite-On/LTST-C190KRKT?qs=kAD5fFa1n5VY3YYNWPC1Fg%3D%3D
MIC1: BOM_JLCPCB Part Class="Extended Part", BOM_Manufacturer=INGHAi(赢海), BOM_Manufacturer Part=GMI4015P-2C-58db, BOM_Supplier=LCSC, BOM_Supplier Part=C233300, Contributor=LCSC, spicePre=M, spiceSymbolName=GMI4015P-2C-58DB
Q1 Q2: BOM_JLCPCB Part Class="Extended Part", BOM_Manufacturer=AOS, BOM_Manufacturer Part=AO8814, BOM_Supplier=LCSC, BOM_Supplier Part=C357843, Contributor=LCSC, spicePre=Q, spiceSymbolName=AO8814
R1: library part RES_300K-0.1W-1%-0402, "53.6 kOhms ±1% 0.1W, 1/10W Chip Resistor 0402 (1005 Metric) Automotive AEC-Q200 Thick Film", Case/Package=0402, Manufacturer="Panasonic Electronic Components", Manufacturer Part Number=ERJ-2RKF3003X, Supplier-1=Digikey
R2: library part RES_300K-0.1W-1%-0402, "102 kOhms ±1% 0.1W, 1/10W Chip Resistor 0402 (1005 Metric) Automotive AEC-Q200 Thick Film", Case/Package=0402, Manufacturer="Panasonic Electronic Components", Manufacturer Part Number=ERJ-2RKF3003X, Supplier-1=Digikey
R3: library part RES_51K-0.1W-1%-0402, "56 kOhms ±1% 0.1W, 1/10W Chip Resistor 0402 (1005 Metric) Automotive AEC-Q200 Thick Film", Case/Package=0402, Manufacturer="Panasonic Electronic Components", Manufacturer Part Number=ERJ-2RKF5102X, Supplier-1=Digikey
R4 R62 R63 R64 R65: library part RES_10K-0.1W-1%-0402, "10 kOhms ±1% 0.1W, 1/10W Chip Resistor 0402 (1005 Metric) Anti-Sulfur Thin Film", Case/Package=0402, Manufacturer="Vishay Beyschlag/Draloric/BC Components", Manufacturer Part Number=MCS04020C1002FE000, Supplier-1=Digikey
R5: library part RES_300K-0.1W-1%-0402, "3.24 kOhms ±1% 0.1W, 1/10W Chip Resistor 0402 (1005 Metric) Automotive AEC-Q200 Thick Film", Case/Package=0402, Manufacturer="Panasonic Electronic Components", Manufacturer Part Number=ERJ-2RKF3003X, Supplier-1=Digikey
R6: library part RES_300K-0.1W-1%-0402, "28.7 kOhms ±1% 0.1W, 1/10W Chip Resistor 0402 (1005 Metric) Automotive AEC-Q200 Thick Film", Case/Package=0402, Manufacturer="Panasonic Electronic Components", Manufacturer Part Number=ERJ-2RKF3003X, Supplier-1=Digikey
R7 R8: library part RES_4.7K-0.1W-1%-0402, "4.7 kOhms ±1% 0.1W, 1/10W Chip Resistor 0402 (1005 Metric) Automotive AEC-Q200 Thick Film", Case/Package=0402, Manufacturer="Panasonic Electronic Components", Manufacturer Part Number=ERJ-2RKF4701X, Supplier-1=Digikey
R9 R10 R61: library part RES_300K-0.1W-1%-0402, "330 Ohms ±1% 0.1W, 1/10W Chip Resistor 0402 (1005 Metric) Automotive AEC-Q200 Thick Film", Case/Package=0402, Manufacturer="Panasonic Electronic Components", Manufacturer Part Number=ERJ-2RKF3003X, Supplier-1=Digikey
R11 R12 R13 R32: library part RES_200K-0.1W-1%-0402, "2 kOhms ±1% 0.1W, 1/10W Chip Resistor 0402 (1005 Metric) Automotive AEC-Q200 Thick Film", Case/Package=0402, Manufacturer="Panasonic Electronic Components", Manufacturer Part Number=ERJ-2RKF2003X, Supplier-1=Digikey
R14 R15: library part RES_5.6K-0.1W-1%-0402, "5.1 kOhms ±1% 0.1W, 1/10W Chip Resistor 0402 (1005 Metric) Automotive AEC-Q200, Moisture Resistant Thick Film", Case/Package=0402, Manufacturer="KOA Speer Electronics, Inc.", Manufacturer Part Number=RK73H1ETTP5601F, Supplier-1=Digikey
R16: library part RES_100R-0.1W-1%-0402, "470 Ohms ±1% 0.1W, 1/10W Chip Resistor 0402 (1005 Metric) Automotive AEC-Q200, Moisture Resistant Thick Film", Case/Package=0402, Manufacturer="KOA Speer Electronics, Inc.", Manufacturer Part Number=RK73H1ETTP1000F, Supplier-1=Digikey
R17: library part RES_6.8K-0.1W-1%-0402, "680 kOhms ±1% 0.1W, 1/10W Chip Resistor 0402 (1005 Metric) Anti-Sulfur Thin Film", Case/Package=0402, Manufacturer="Vishay Beyschlag/Draloric/BC Components", Manufacturer Part Number=MCS04020C6801FE000, Supplier-1=Digikey
R23 R24: library part RES_100R-0.1W-1%-0402, "100 Ohms ±1% 0.1W, 1/10W Chip Resistor 0402 (1005 Metric) Automotive AEC-Q200, Moisture Resistant Thick Film", Case/Package=0402, Manufacturer="KOA Speer Electronics, Inc.", Manufacturer Part Number=RK73H1ETTP1000F, Supplier-1=Digikey
R25 R26 R28: library part RES_100K-0.1W-1%-0402, "300 kOhms ±1% 0.1W, 1/10W Chip Resistor 0402 (1005 Metric) Anti-Sulfur Thin Film", Case/Package=0402, Manufacturer="Vishay Beyschlag/Draloric/BC Components", Manufacturer Part Number=MCS04020C1003FE000, Supplier-1=Digikey
R27 R30: library part RES_100K-0.1W-1%-0402, "100 kOhms ±1% 0.1W, 1/10W Chip Resistor 0402 (1005 Metric) Anti-Sulfur Thin Film", Case/Package=0402, Manufacturer="Vishay Beyschlag/Draloric/BC Components", Manufacturer Part Number=MCS04020C1003FE000, Supplier-1=Digikey
R29: library part RES_1K-0.1W-1%-0402, "1 kOhms ±1% 0.1W, 1/10W Chip Resistor 0402 (1005 Metric) Anti-Sulfur Thin Film", Case/Package=0402, Manufacturer="Vishay Beyschlag/Draloric/BC Components", Manufacturer Part Number=MCS04020C1001FE000, Supplier-1=Digikey
R31: library part RES_100K-0.1W-1%-0402, "150 kOhms ±1% 0.1W, 1/10W Chip Resistor 0402 (1005 Metric) Anti-Sulfur Thin Film", Case/Package=0402, Manufacturer="Vishay Beyschlag/Draloric/BC Components", Manufacturer Part Number=MCS04020C1003FE000, Supplier-1=Digikey
R35 R36 R37 R38 R39 R40 R41 R42 R47 R48 R49 R50: library part RES_240R-0.1W-1%-0402, "220 Ohms ±1% 0.1W, 1/10W Chip Resistor 0402 (1005 Metric) Automotive AEC-Q200 Thick Film", Case/Package=0402, Manufacturer="Panasonic Electronic Components", Manufacturer Part Number=ERJ-2RKF2400X, Supplier-1=Digikey
R59: library part RES_10K-0.1W-1%-0402, "30 kOhms ±1% 0.1W, 1/10W Chip Resistor 0402 (1005 Metric) Anti-Sulfur Thin Film", Case/Package=0402, Manufacturer="Vishay Beyschlag/Draloric/BC Components", Manufacturer Part Number=MCS04020C1002FE000, Supplier-1=Digikey
R60: library part RES_10K-0.1W-1%-0402, "28.7 kOhms ±1% 0.1W, 1/10W Chip Resistor 0402 (1005 Metric) Anti-Sulfur Thin Film", Case/Package=0402, Manufacturer="Vishay Beyschlag/Draloric/BC Components", Manufacturer Part Number=MCS04020C1002FE000, Supplier-1=Digikey
SB1: library part SOLDERBRIDGE, Part number IPS=N.A., Artikkelnr Noca=N.A., ComponentLink1Description=Datasheet, ComponentLink2Description="Supplier link", Footprint Doc=Solderbridge, LatestRevisionDate=2009-12-14, Part Number=Solderbridge, Pin Count=2, Published=2009-12-14, Publisher="Nordic Semiconductor"
SW1: BOM_JLCPCB Part Class="Extended Part", BOM_Manufacturer="XKB Connectivity(中国星坤)", BOM_Manufacturer Part=SS-12D11L7, BOM_Supplier=LCSC, BOM_Supplier Part=C2884775, Contributor=LCSC, spicePre=S, spiceSymbolName=SS-12D11L7
TP1 TP2: "0.4mm hole size Test point", Case/Package=TH, Manufacturer=NA, Manufacturer Part Number=NA, Supplier-1=NA
U1: BOM_JLCPCB Part Class="Extended Part", BOM_Manufacturer="XKB Connectivity(中国星坤)", BOM_Manufacturer Part=X1321WVS-2x08J-C40D53, BOM_Supplier=LCSC, BOM_Supplier Part=C2881913, Contributor=LCSC, spicePre=U, spiceSymbolName=X1321WVS-2X08J-C40D53
U2 U3: BOM_JLCPCB Part Class="Extended Part", BOM_Manufacturer="XKB Connectivity(中国星坤)", BOM_Manufacturer Part=X1321WVS-2x03J-C40D53, BOM_Supplier=LCSC, BOM_Supplier Part=C2881908, Contributor=LCSC, spicePre=U, spiceSymbolName=X1321WVS-2X03J-C40D53
U4: "Accelerometer, Gyroscope, Temperature, 6 Axis Sensor IÂ²C, SPI Output", Package="LGA-14 STMicroelectronics", Availability=Unavailable, MF=STMicroelectronics, MP=LSM6DSLTR, Price=None, SnapEDA_Link=https://www.snapeda.com/parts/LSM6DSLTR/STMicroelectronics/view-part/550517/?ref=snap
USB1: BOM_JLCPCB Part Class="Extended Part", BOM_Manufacturer=kinghelm(金航标), BOM_Manufacturer Part=KH-TYPE-C-16P, BOM_Supplier=LCSC, BOM_Supplier Part=C709357, Contributor=LCSC, spicePre=U, spiceSymbolName=KH-TYPE-C-16P

## Free pads (board coordinates)
  round 0.5 hole 0.5: 0(-1.676,35.814) 0(-1.676,37.059) 0(-0.398,35.814) 0(-0.398,37.059) 0(0.881,35.789) 0(0.881,37.059) 0(2.159,35.814) 0(2.159,37.059)

## Via types
v1: diameter 0.45, hole 0.2, Top Copper to Bottom Copper, tented both sides, 458 vias
v2: diameter 2, hole 1.5, Top Copper to Bottom Copper, tented both sides, 2 vias
v3: diameter 4, hole 3.2, Top Copper to Bottom Copper, tented both sides, 2 vias

## Nets (pads, with @x,y where several pads share a name; then routed paths per layer and width w, separated by ;. In a path a pad name is that pad's centre, name@x,y a point inside that pad or via, vN(x,y) a via of type N, cw(c..) or ccw(c..) an arc to the next point about the centre after c; other vN are vias at no path point)
+3V3: C12.2 C13.2 C18.2 C19.2 C38.2 C39.2 FB1.2 H1.6 H1.8 IC2.5 IC3.28 R7.2 R8.2 R12.2 R13.2 U1.11 U1.12 U4.5 U4.8 U4.12 | length 120
  Top Copper w0.2: U4.8@-1.16,0.75 -1.16,2.184 ; U4.12@-0.5,-0.91 -0.5,-1.712 -0.617,-1.829 -1.788,-1.829 -1.905,-1.712 -1.905,2.067 -1.788,2.184 -1.16,2.184 ; U4.5@0.5,0.91 0.504,0.914 0.504,2.159 ; C38.2@2.489,1.295 2.489,2.067 2.372,2.184 -1.16,2.184
  Top Copper w0.3: C39.2@3.323,1.274 C39.2@3.327,1.27 ; IC3.28@4.225,3.844 4.225,1.439 C19.2@4.369,1.295
  Top Copper w0.5: v1(1.905,13.462) U1.11@1.905,15.05 U1.12@1.905,18.95 ; C38.2@2.489,1.295 C39.2@3.327,1.295 C19.2@4.369,1.295 C18.2@5.232,1.295 7.823,1.295 7.925,1.397 R7.2@7.925,6.833 R8.2@7.925,7.696 R13.2@7.925,8.788 R12.2@7.925,9.627 7.925,10.617 v1(7.95,10.643)
  Top Copper w0.8: -0.305,31.217 v1(0.102,31.217) 0.931,31.217 2.145,31.217 ; U1.12@1.905,18.95 1.905,30.977 2.145,31.217 ; v1(18.263,34.163) v1(18.821,34.163) 18.593,33.934 18.593,31.685 18.124,31.217 2.145,31.217
  Bottom Copper w0.5: FB1.2@-23.571,25.389 -22.34,25.389 -22.047,25.096 -22.047,21.908 -21.754,21.615 -9.652,21.615 -8.661,22.606 -8.661,29.044 -8.369,29.337 -2.845,29.337 -2.54,29.642 H1.6@-2.54,31.2 ; v1(1.905,13.462) 7.657,13.462 7.95,13.169 v1(7.95,10.643) ; IC2.5@15.507,34.163 16.269,34.163 v1(18.263,34.163) C13.2@18.593,34.163 ; IC2.5@15.998,34.085 IC2.5@16.192,34.085
  Bottom Copper w0.8: H1.6@-2.54,31.2 H1.8@0,31.2 v1(0.931,31.2)
+5V: C4.2 C5.2 C16.2 C17.2 C23.2 C24.2 C25.2 C41.1 C41.2 C41.3 C44.1 C44.2 C44.3 C47.1 C47.2 C47.3 C50.1 C50.2 C50.3 C53.2 DIO1.1 H1.2 H1.4 IC5.A2 IC8.7 IC8.8 L1.2 LED1.1 LED2.1 LED3.1 LED4.1 LED5.1 LED6.1 LED7.1 LED8.1 LED9.1 LED10.1 LED11.1 LED12.1 R3.2 R17.1 R29.2 U1.13 U1.14 | length 521.6
  Top Copper w0.2: R29.2@-0.711,-23.8 v1(-0.711,-22.022)
  Top Copper w0.5: LED10.1@-42.927,2.5 -38.569,2.5 -38.529,2.54 ; LED11.1@-36.119,23.426 -36.119,6.121 -38.529,3.711 -38.529,2.54 ; LED11.1@-35.954,23.786 LED11.1@-35.954,23.591 LED11.1@-35.872,23.673 ; -21.209,-7.518 -21.361,-7.671 -38.529,-7.671 ; -19.419,25.95 -19.419,38.296 LED12.1@-19.311,38.404 -19.311,40.785 -18.136,41.961 v1(-5.613,41.961) ; LED7.1@-2.5,-42.927 -2.525,-42.951 -7.01,-42.951 -10.033,-39.929 -15.824,-39.929 -18.771,-36.982 -20.168,-36.982 -20.177,-36.973 -22.26,-36.973 -23.393,-35.839 -27,-35.839 -33.503,-29.337 -33.503,-24.304 -38.404,-19.403 LED9.1@-38.404,-19.311 -38.529,-19.186 -38.529,-7.671 ; C41.3@18,25.95 20.434,25.95 20.726,25.657 20.726,9.982 21.234,9.474 38.478,9.474 ; LED6.1@19.195,-38.342 LED6.1@19.235,-38.302 ; LED6.1@19.282,-38.255 19.282,-37.081 32.672,-23.69 35.804,-23.69 LED5.1@35.929,-23.565 36.119,-23.375 36.119,-5.805 36.412,-5.512 37.922,-5.512 38.478,-4.956 38.478,-2.896 ; LED3.1@38.353,19.286 38.478,19.161 38.478,9.474 ; LED4.1@42.902,-2.5 42.902,-2.646 42.652,-2.896 38.478,-2.896 ; -38.529,-7.671 -38.529,2.54 ; 38.478,-2.896 38.478,9.474
  Top Copper w0.8: U1.13@3.175,15.05 U1.14@3.175,18.95 3.175,25.273 3.852,25.95 C41.1@12.92,25.95 ; v1(23.165,30.658) 23.165,34.977 23.581,35.394 23.581,35.786 LED2.1@23.565,35.802
  Top Copper w2: C47.1@-12.92,-26.27 C47.2@-15.46,-26.27 C47.3@-18,-26.27 -20.034,-26.27 -21.209,-25.095 -21.209,-7.518 -21.209,24.16 -19.419,25.95 C44.1@-18,25.95 C44.2@-15.46,25.95 C44.3@-12.92,25.95 ; C41.1@12.92,25.95 C41.2@15.46,25.95 C41.3@18,25.95
  Bottom Copper w0.2: L1.2@-9.065,-34.163 -9.065,-40.338 -8.839,-40.564 7.366,-40.564 8.331,-39.599 R3.2@8.331,-38.989 ; C24.2@-2.921,37.821 -2.813,37.713 -0.299,37.713 -0.003,38.008 -0.003,38.129 IC5.A2@0,38.132 ; IC8.7@0.25,43.258 0.25,43.23 0.3,43.18 0.7,43.18 0.75,43.23 IC8.8@0.75,43.258
  Bottom Copper w0.3: C23.2@-3.734,37.821 C24.2@-2.921,37.821 ; R17.1@-3.708,42.012 C25.2@-3.708,42.824 -3.708,44.452 -3.533,44.628 0.75,44.628 ; IC8.8@0.75,43.258 0.75,44.628 ; v1(2.489,43.078) 2.489,44.427 2.288,44.628 0.75,44.628
  Bottom Copper w0.4: v1(-5.613,41.961) -3.976,41.961 ; -3.976,41.962 -3.758,41.962 R17.1@-3.708,42.012
  Bottom Copper w0.5: -3.734,33.96 C23.2@-3.734,37.821
  Bottom Copper w0.8: C17.2@-20.955,30.75 -20.828,30.623 -20.828,26.419 -20.359,25.95 C44.1@-18,25.95 ; H1.2@-7.62,31.2 H1.4@-5.08,31.2 -5.08,33.35 -4.953,33.477 ; C41.3@18,25.95 20.486,25.95 20.955,26.419 C16.2@20.955,30.674 24.266,30.674 DIO1.1@24.282,30.658
  Bottom Copper w2: C47.3@-18,-26.27 C47.2@-15.46,-26.27 C47.1@-12.92,-26.27 -9.811,-26.27 -9.627,-26.086 ; C44.1@-18,25.95 C44.2@-15.46,25.95 C44.3@-12.92,25.95 -11.636,25.95 -10.465,27.122 -10.465,32.512 -9.5,33.477 -4.953,33.477 8.611,33.477 8.611,33.465 10.376,31.699 10.376,27.804 12.221,25.959 C41.1@12.92,25.959 ; L1.2@-9.065,-34.163 -9.627,-33.601 -9.627,-26.086 ; C41.1@12.92,25.95 C41.1@12.92,25.959 ; C41.2@15.46,25.95 C41.2@15.46,25.959 ; C50.1@18,-26.27 C50.2@15.46,-26.27 C50.3@12.92,-26.27 10.951,-26.27 9.779,-25.098 9.779,-22.86 8.357,-21.438 -8.455,-21.438 -9.627,-22.609 -9.627,-26.086 ; C41.3@18,25.95 17.991,25.959 C41.2@15.46,25.959 ; C41.1@12.92,25.959 C41.2@15.46,25.959
BAT_MEAS: C22.2 R25.1 R27.2 U1.9 | length 17.3
  Top Copper w0.16: v1(0.635,13.437) U1.9@0.635,15.05
  Top Copper w0.2: v1(9.068,8.052) 9.074,8.045 9.773,8.045 C22.2@9.779,8.039 ; R25.1@9.779,6.02 R27.2@9.779,7.118 C22.2@9.779,7.95
  Bottom Copper w0.16: v1(0.635,13.437) 0.635,12.725 0.787,12.573 3.912,12.573 4.369,12.116 4.369,8.712 5.029,8.052 v1(9.068,8.052)
BM: BH1.2 BH1.4 R10.1 R61.1 | length 123.6
  Top Copper w0.5: v1(22.911,21.92) v1(25.603,21.92)
  Bottom Copper w0.5: BH1.4@-41.55,-9.5 -32.893,-9.5 -31.826,-10.566 -31.826,-17.323 ; BH1.2@-41.313,10.973 BH1.2@-40.627,10.287 ; R61.1@-28.321,-23.749 -30.785,-23.749 -31.826,-22.708 -31.826,-17.323 ; v1(22.911,21.92) 22.657,21.666 22.657,-15.57 20.904,-17.323 -31.826,-17.323 ; v1(25.603,21.92) R10.1@25.603,22.809
CHAR_DECT: R26.1 R28.2 U1.10 | length 18.6
  Top Copper w0.2: v1(0.635,17.297) U1.10@0.635,18.95 ; v1(9.093,9.855) 9.754,9.855 R26.1@9.779,9.881 ; R28.2@9.779,8.915 9.779,9.017 R26.1@9.779,9.83
  Bottom Copper w0.16: v1(0.635,17.297) 1.168,17.297 1.27,17.196 1.27,13.081 1.384,12.967 4.407,12.967 4.877,12.497 4.877,10.084 5.105,9.855 v1(9.093,9.855)